# Altium PCB USBC_PD_Development_PCB.PcbDoc (part 1 of 3)
Units mm, origin at the board's own origin, x right, y up, seen from the top; angles counter-clockwise.
Board outline 127.25 x 73.25 mm, 4 copper layers (Top Layer, Layer 1, Layer 2, Bottom Layer), stack 0.603 mm thick; 169 components, 114 nets, 547 pads, 305 vias.
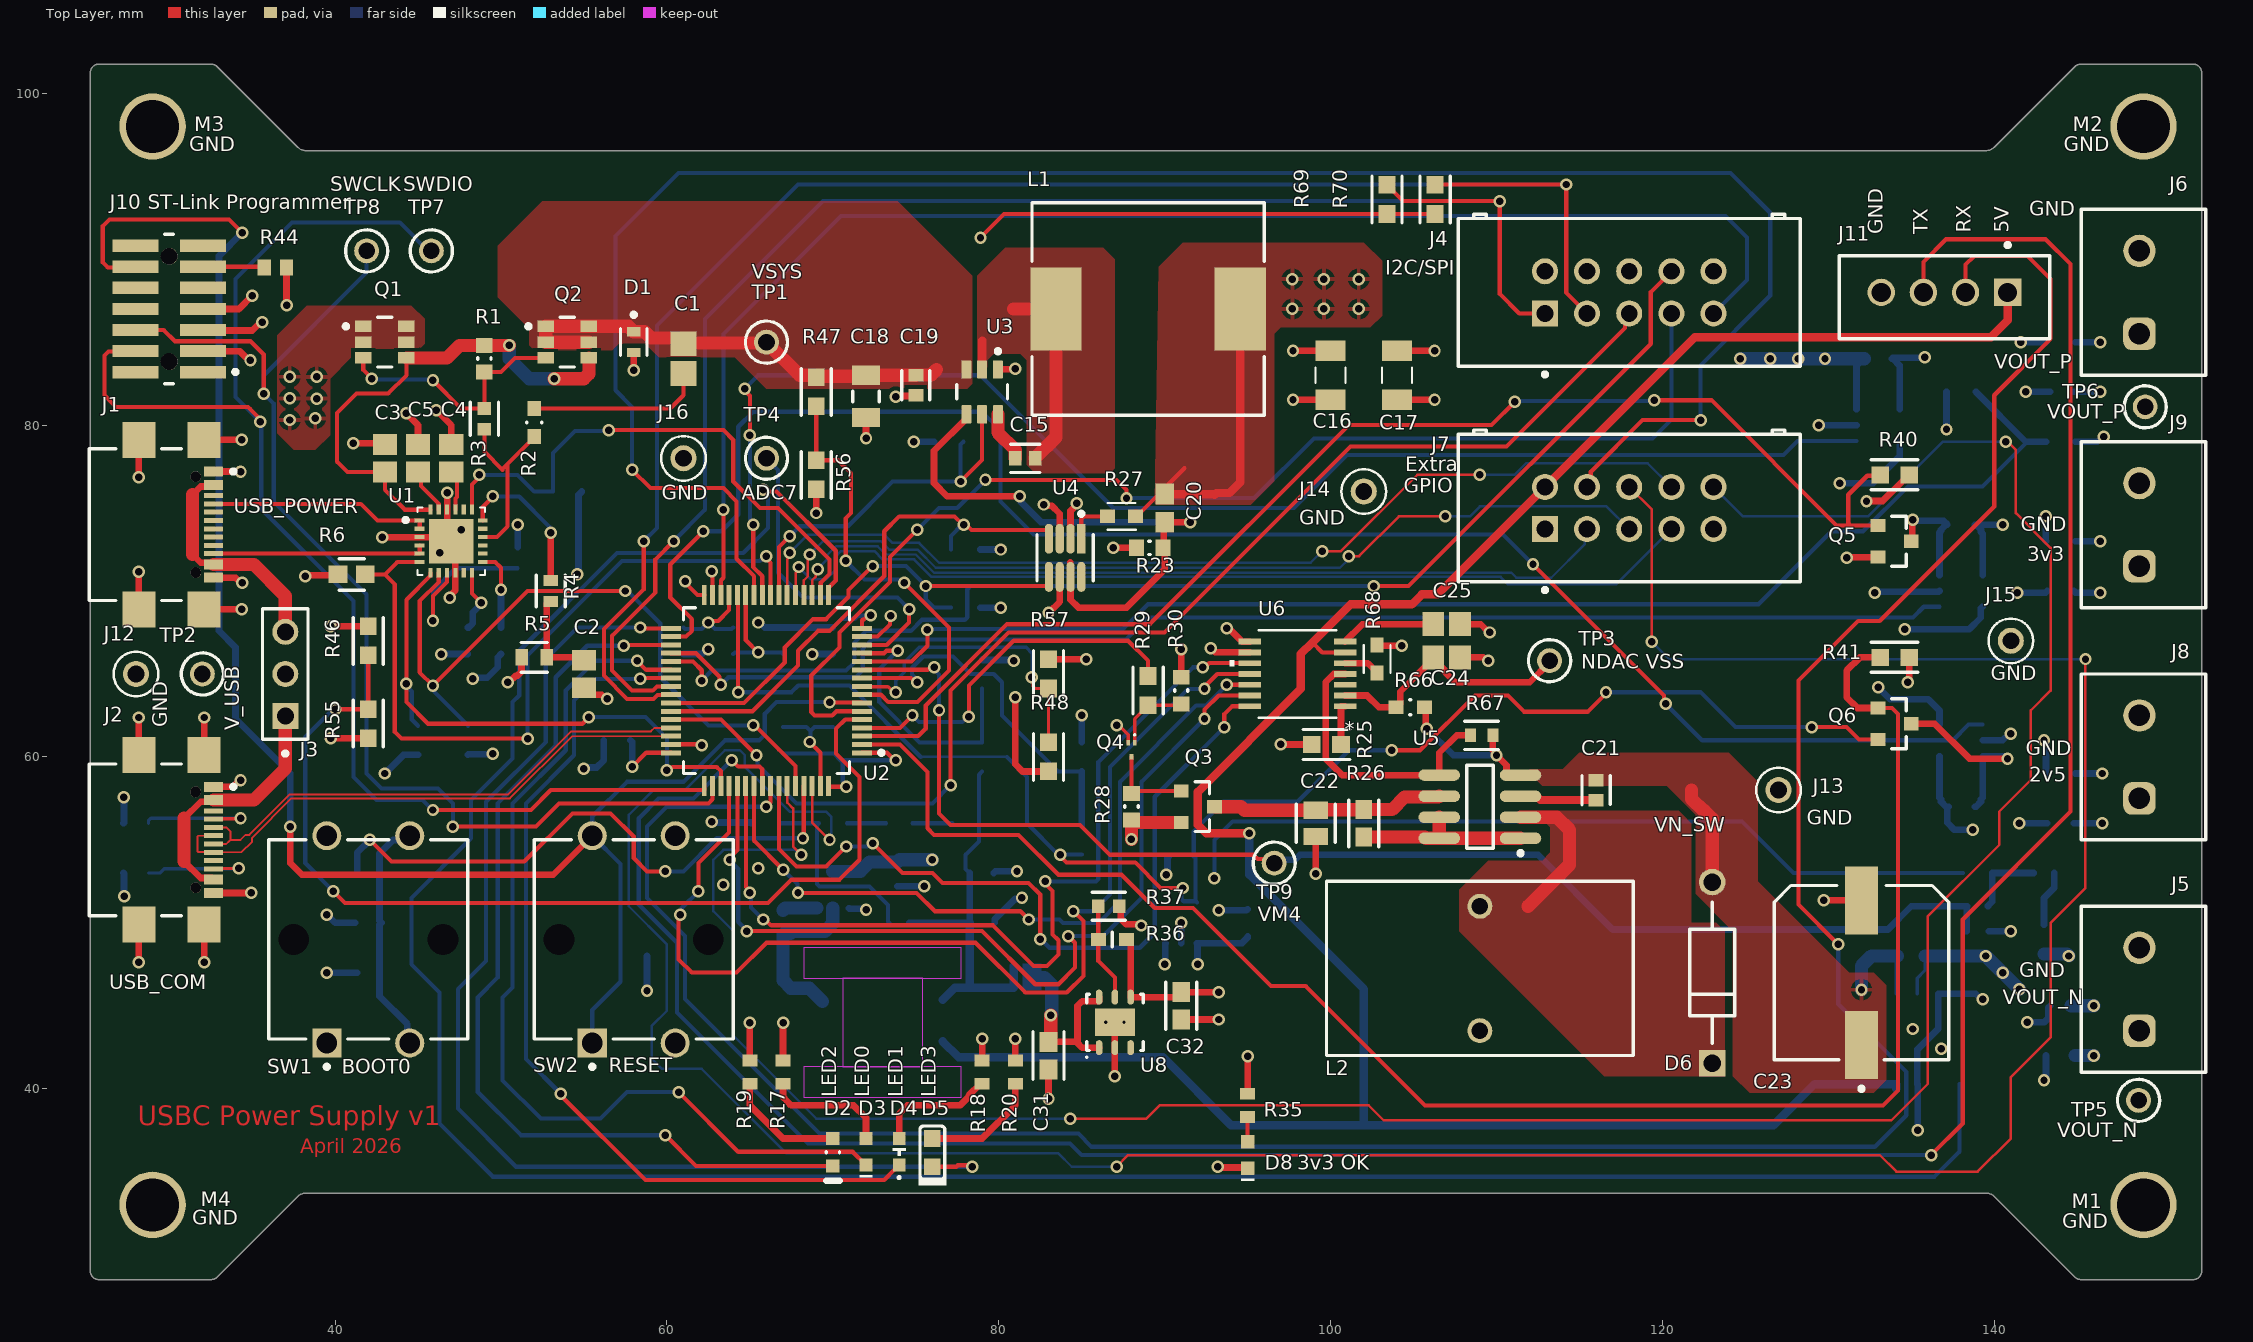
[diagram p0: Top Layer view]
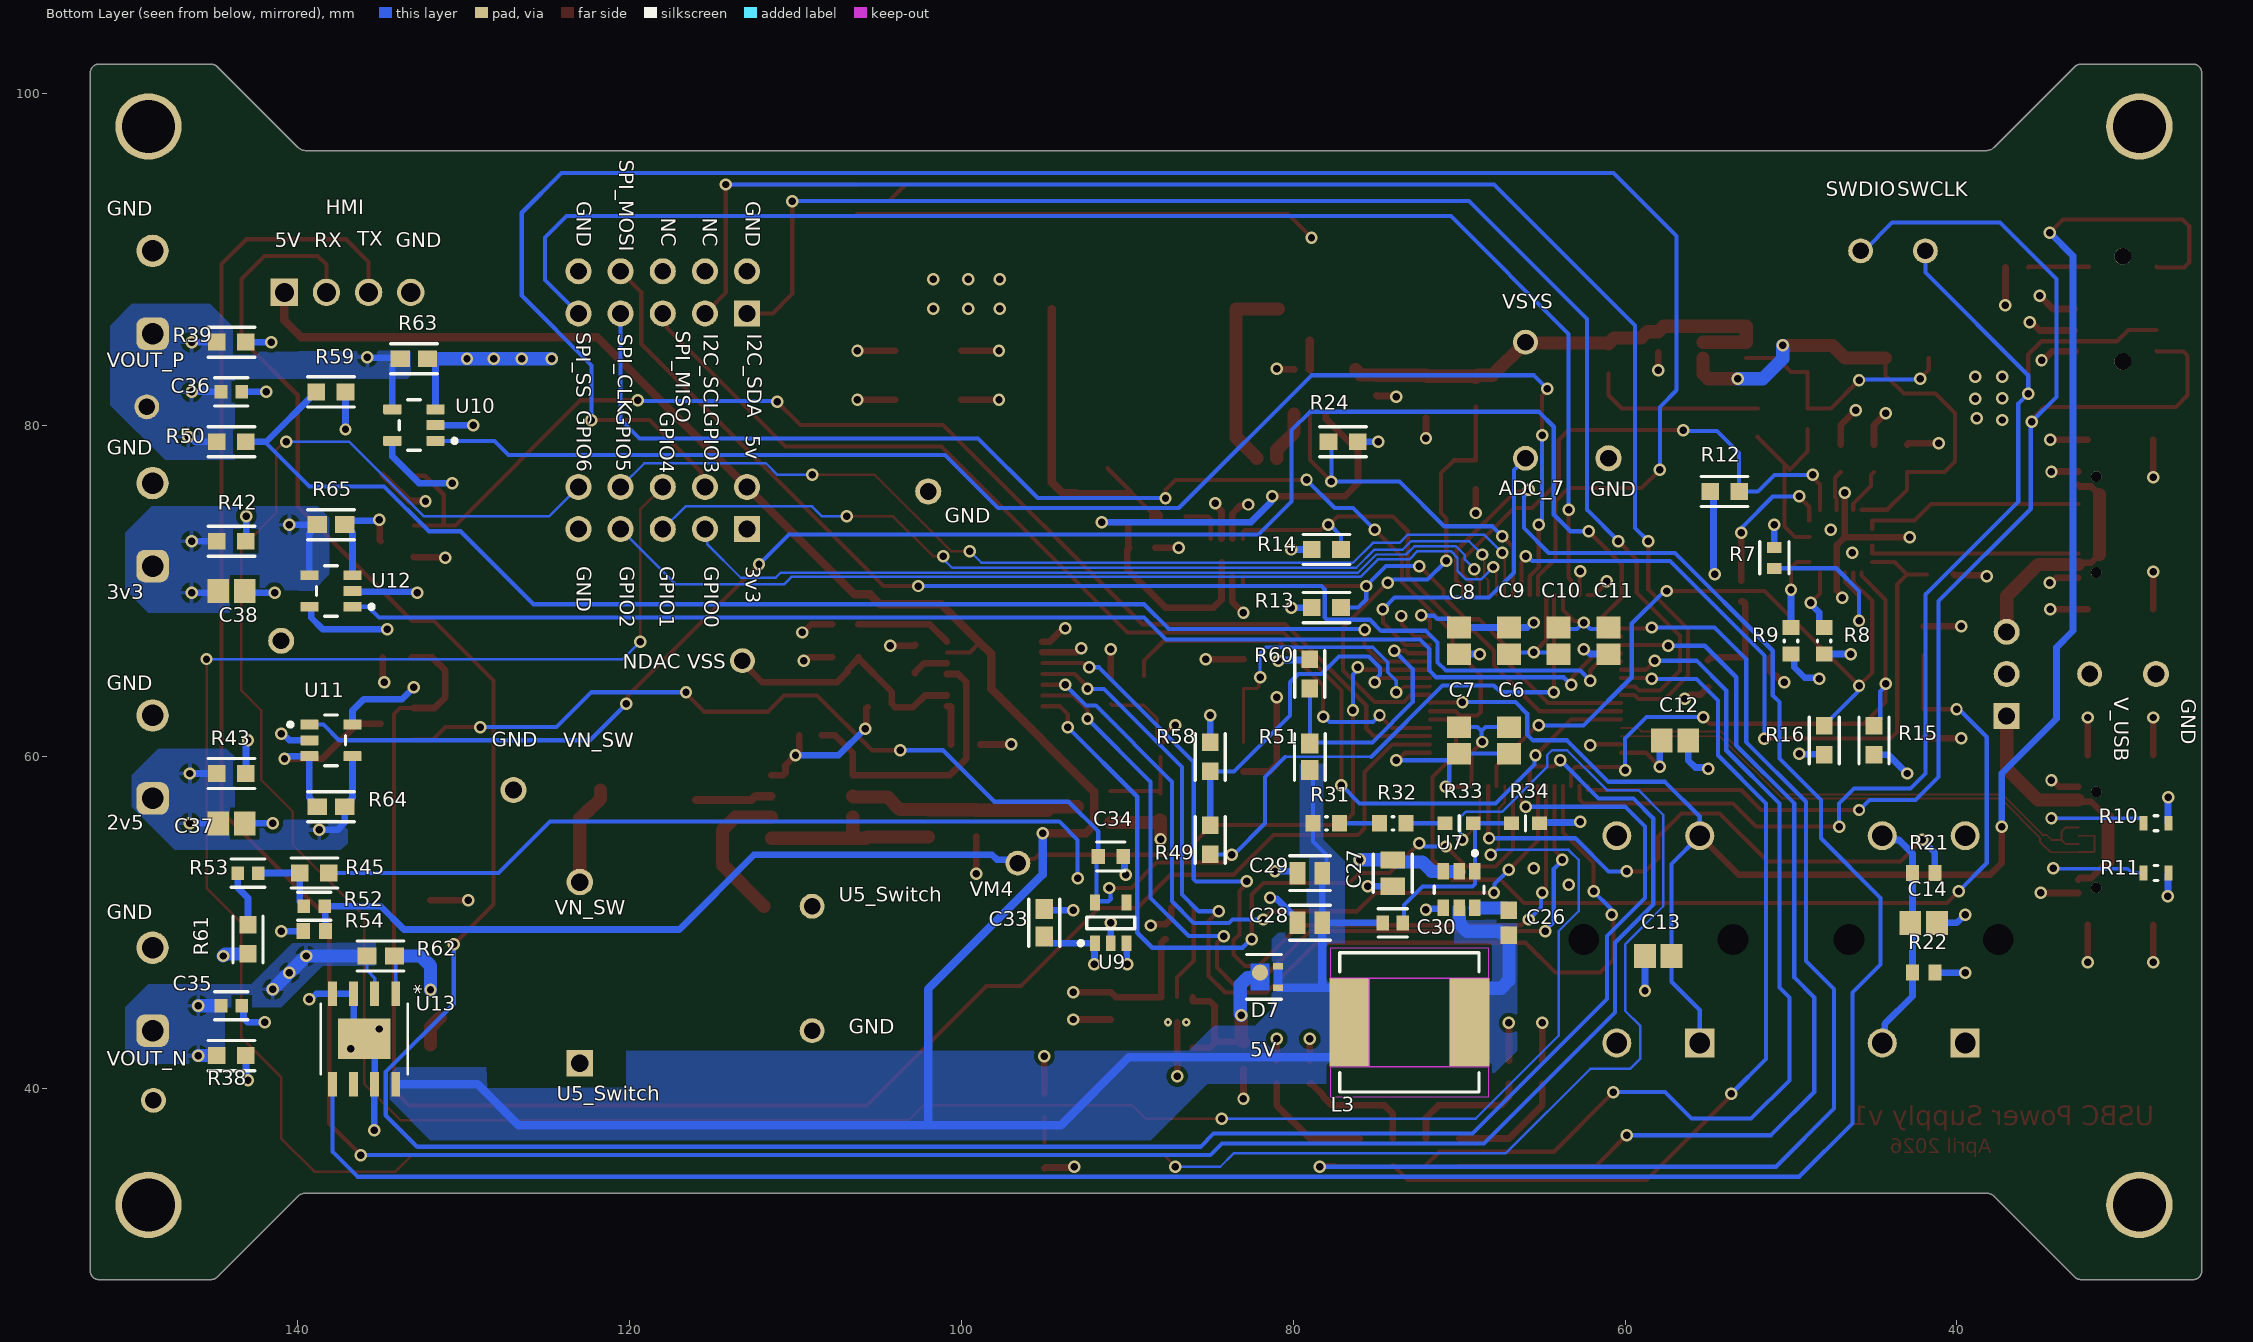
[diagram p1: Bottom Layer view, seen from below]
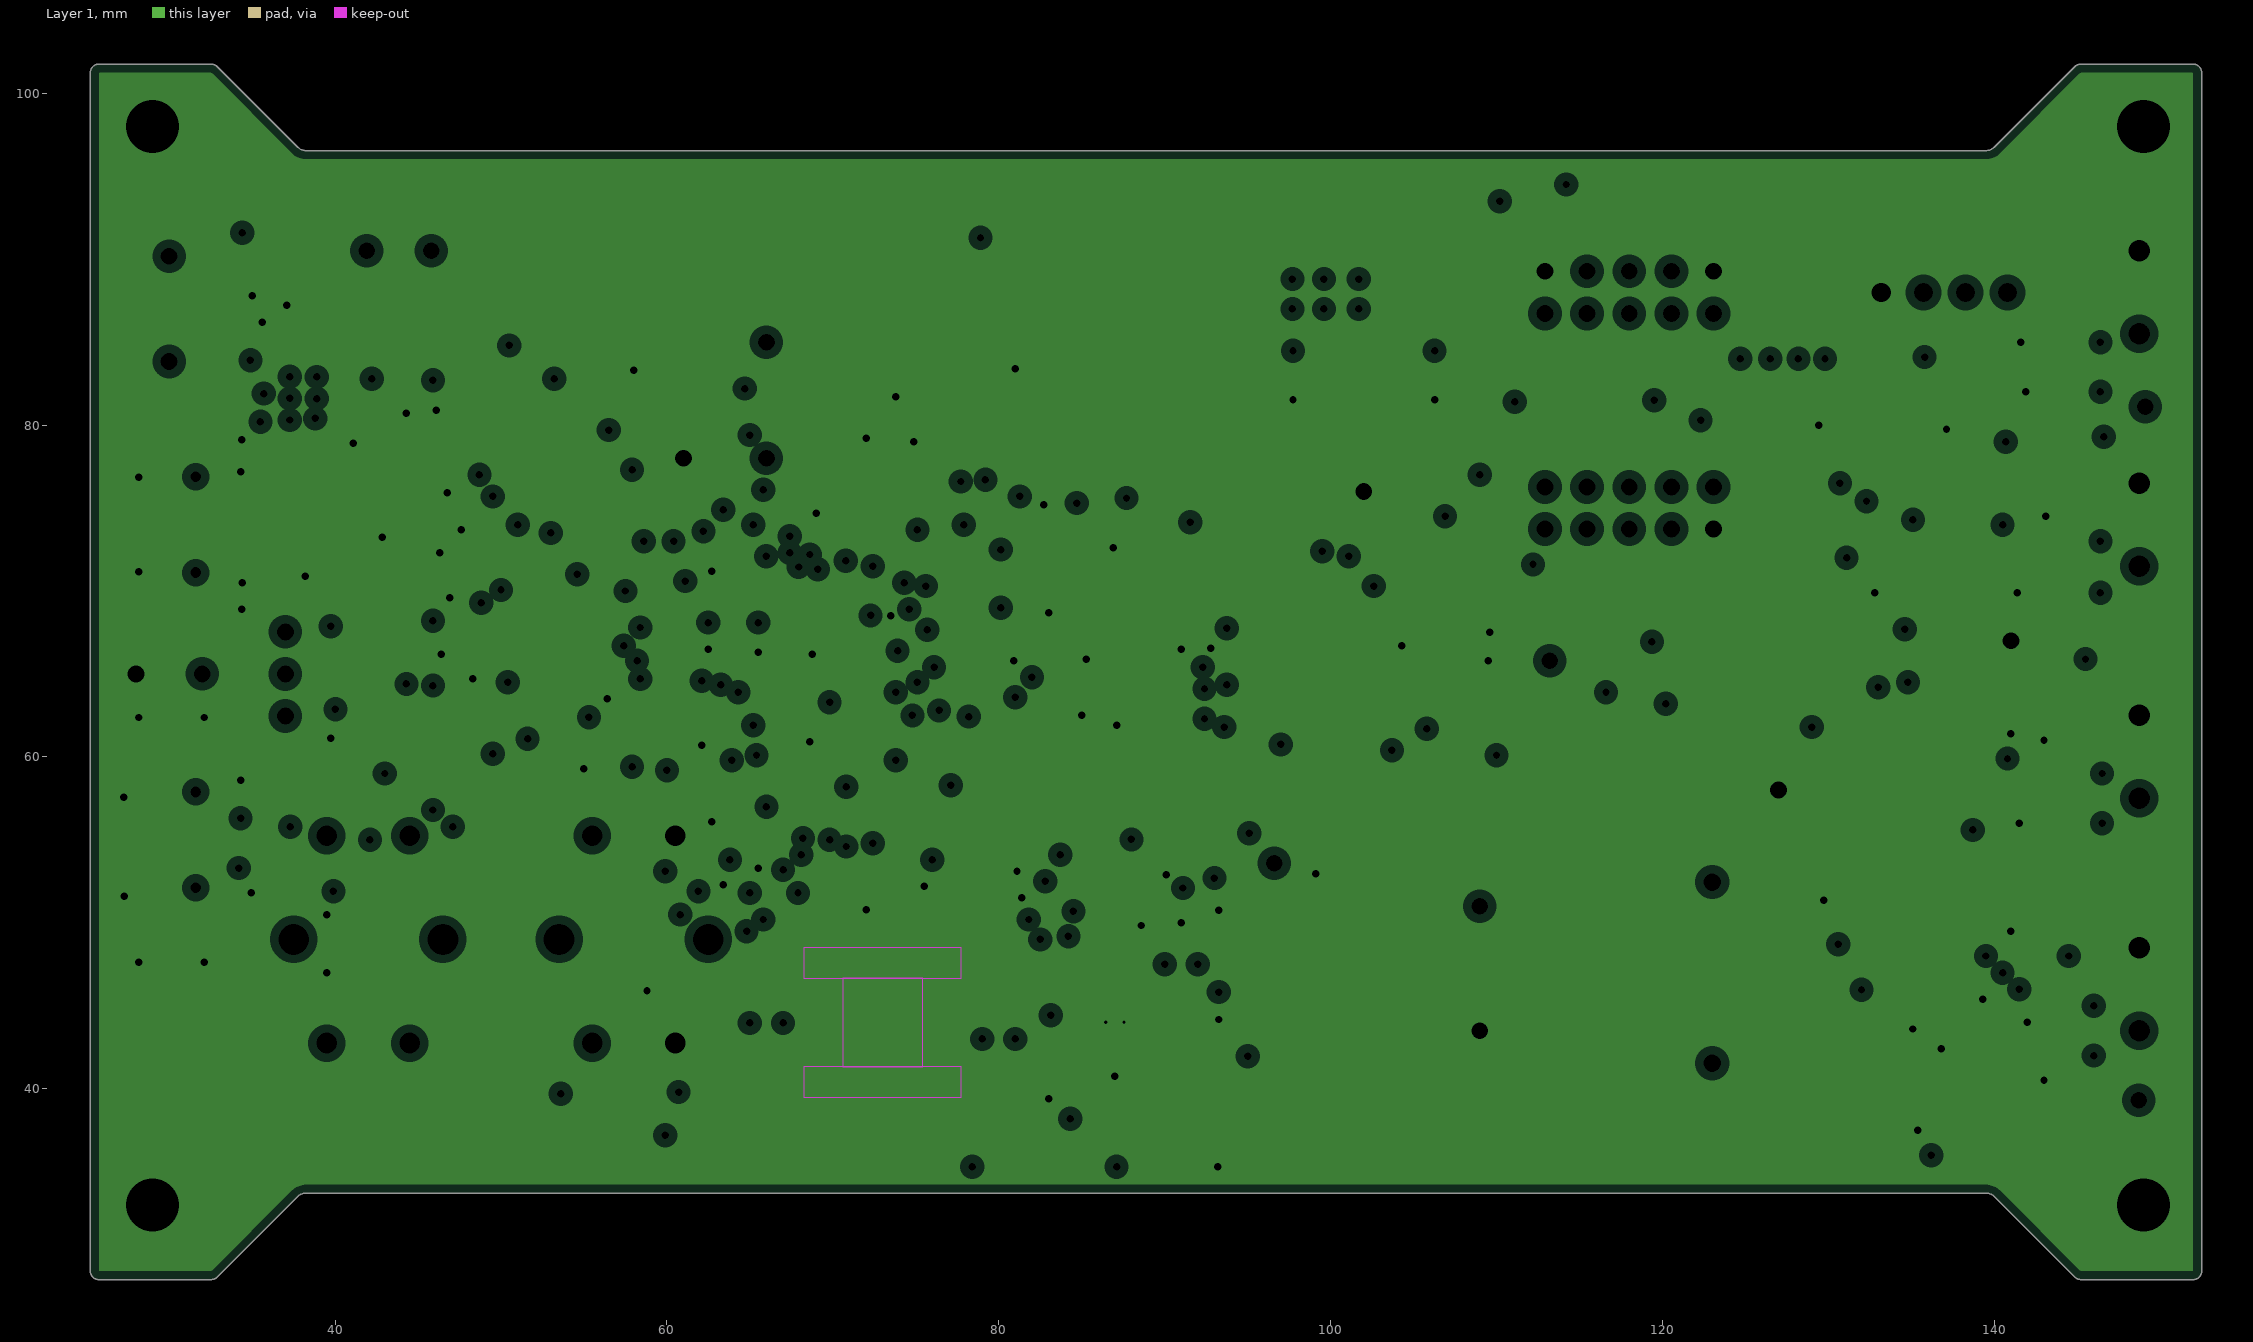
[diagram p2: Layer 1, clearances drawn from the general rule]
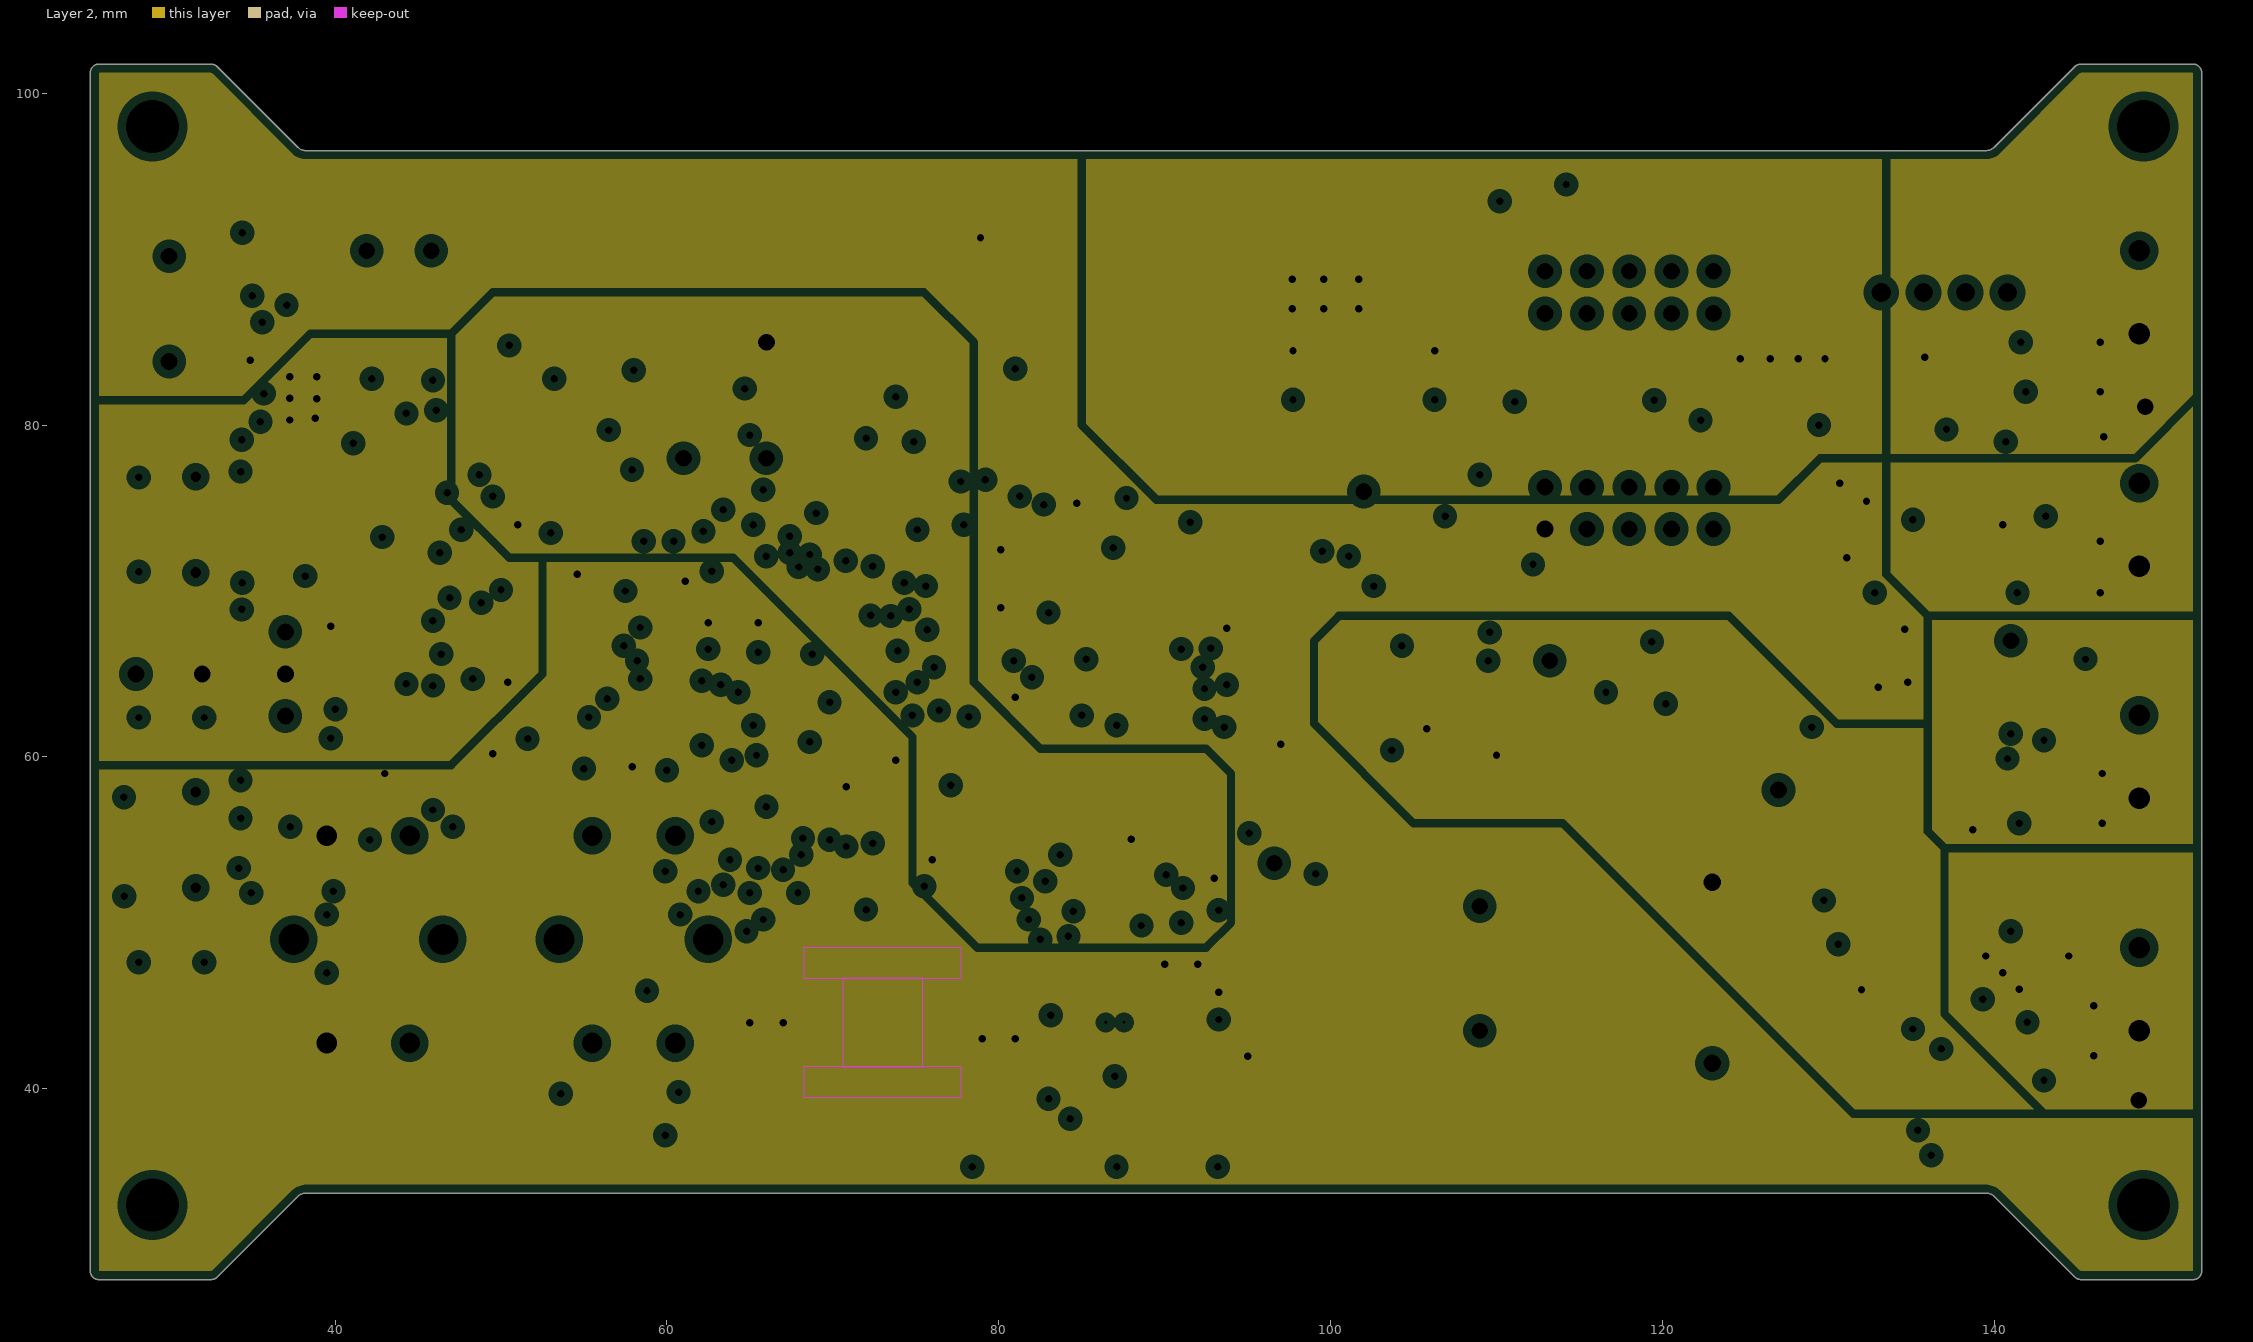
[diagram p3: Layer 2, clearances drawn from the general rule]
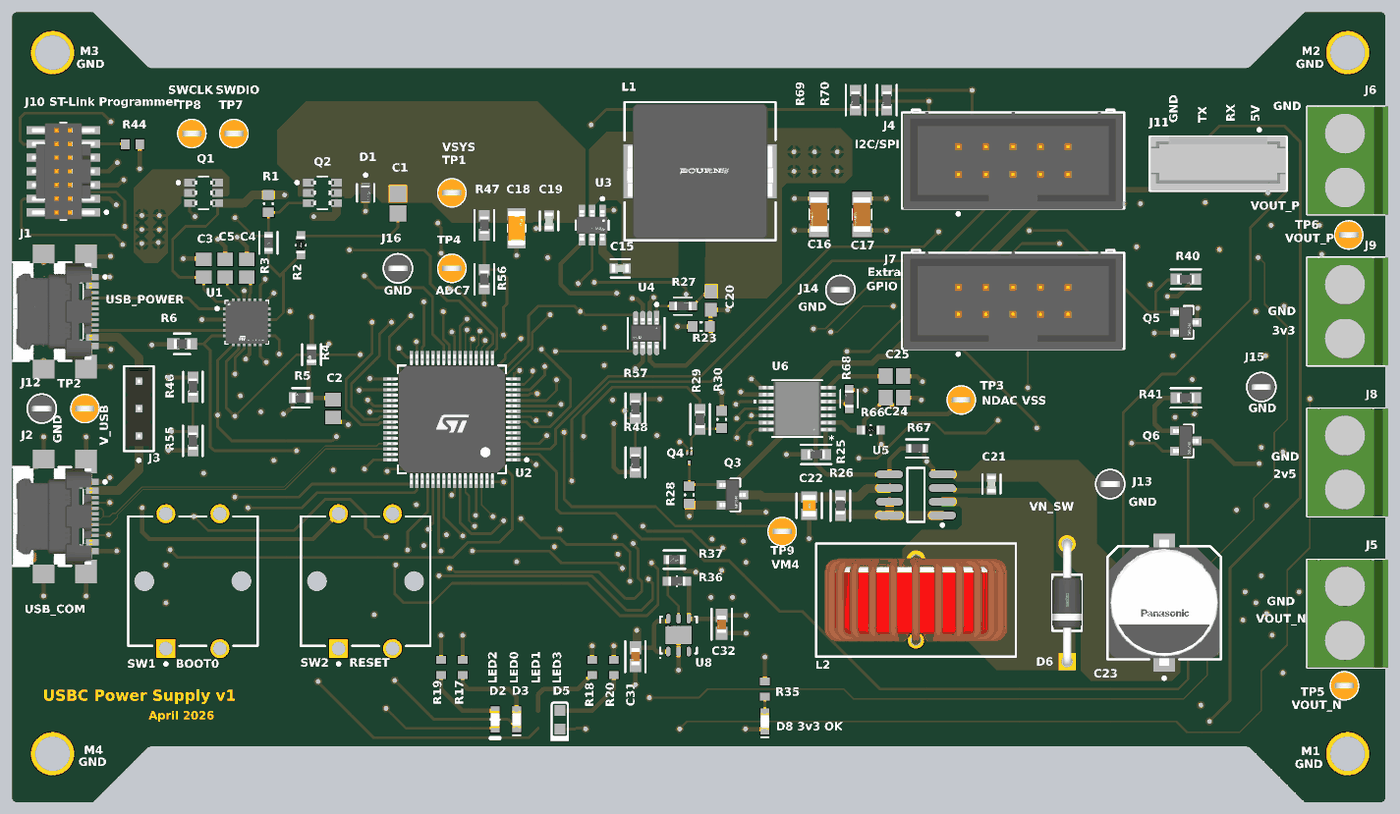
[diagram p6: 3D render of the assembled board from above, using the file's embedded part models]
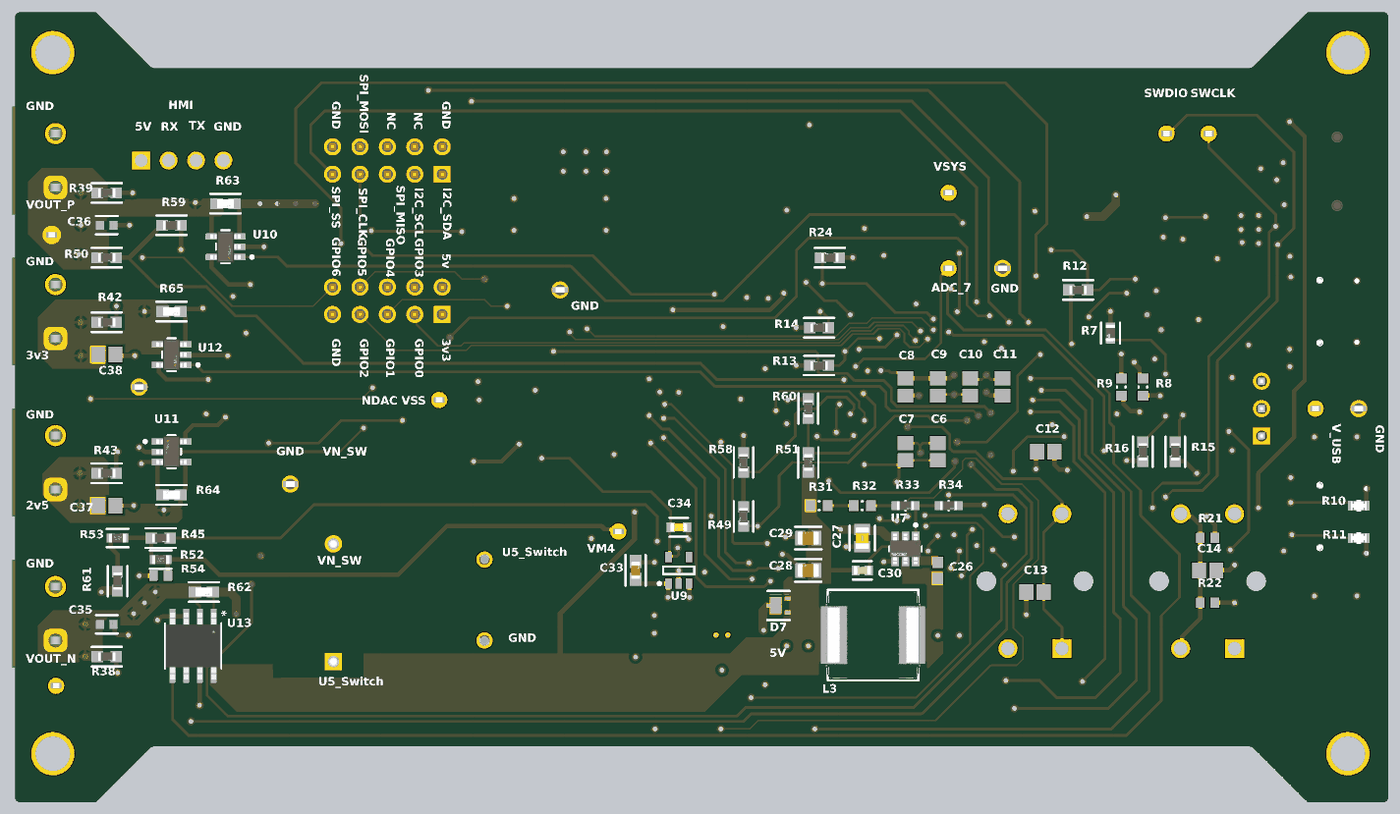
[diagram p7: 3D render of the assembled board from below, using the file's embedded part models]

## Layer stack, top to bottom
Top Solder: solder mask 0.0102, Solder Resist, Dk 3.5
Top Layer: signal copper 0.0356
Dielectric 2: prepreg 0.0711, PP-006, Dk 4.1
Layer 1: plane copper 0.035, net GND
Dielectric 1: dielectric 0.32, FR-4, Dk 4.8
Layer 2: plane copper 0.035, net (Multiple Nets)
Dielectric 3: prepreg 0.0711, PP-006, Dk 4.1
Bottom Layer: signal copper 0.0356
Bottom Solder: solder mask 0.0102, Solder Resist, Dk 3.5

## Board outline
25.75,28.5 32.575,28.5 ccw(c32.538,29.01) 32.902,28.65 32.901,28.651 37.75,33.5 cw(c38.25,33) 38.25,33.707 139.5,33.707 cw(c139.5,33) 140,33.5 144.851,28.649 144.85,28.65 ccw(c145.213,29.01) 145.177,28.5 152,28.5 ccw(c152,29) 152.5,29 152.5,101.25 ccw(c152,101.25) 152,101.75 145.177,101.75 ccw(c145.213,101.24) 144.85,101.6 140,96.75 cw(c139.5,97.25) 139.5,96.543 38.25,96.543 cw(c38.25,97.25) 37.75,96.75 32.9,101.6 ccw(c32.537,101.24) 32.573,101.75 25.75,101.75 ccw(c25.75,101.25) 25.25,101.25 25.25,29 ccw(c25.75,29)
